# Altium PCB PT-PWR-EPS-002_v1.PcbDoc (part 1 of 3) (continued)
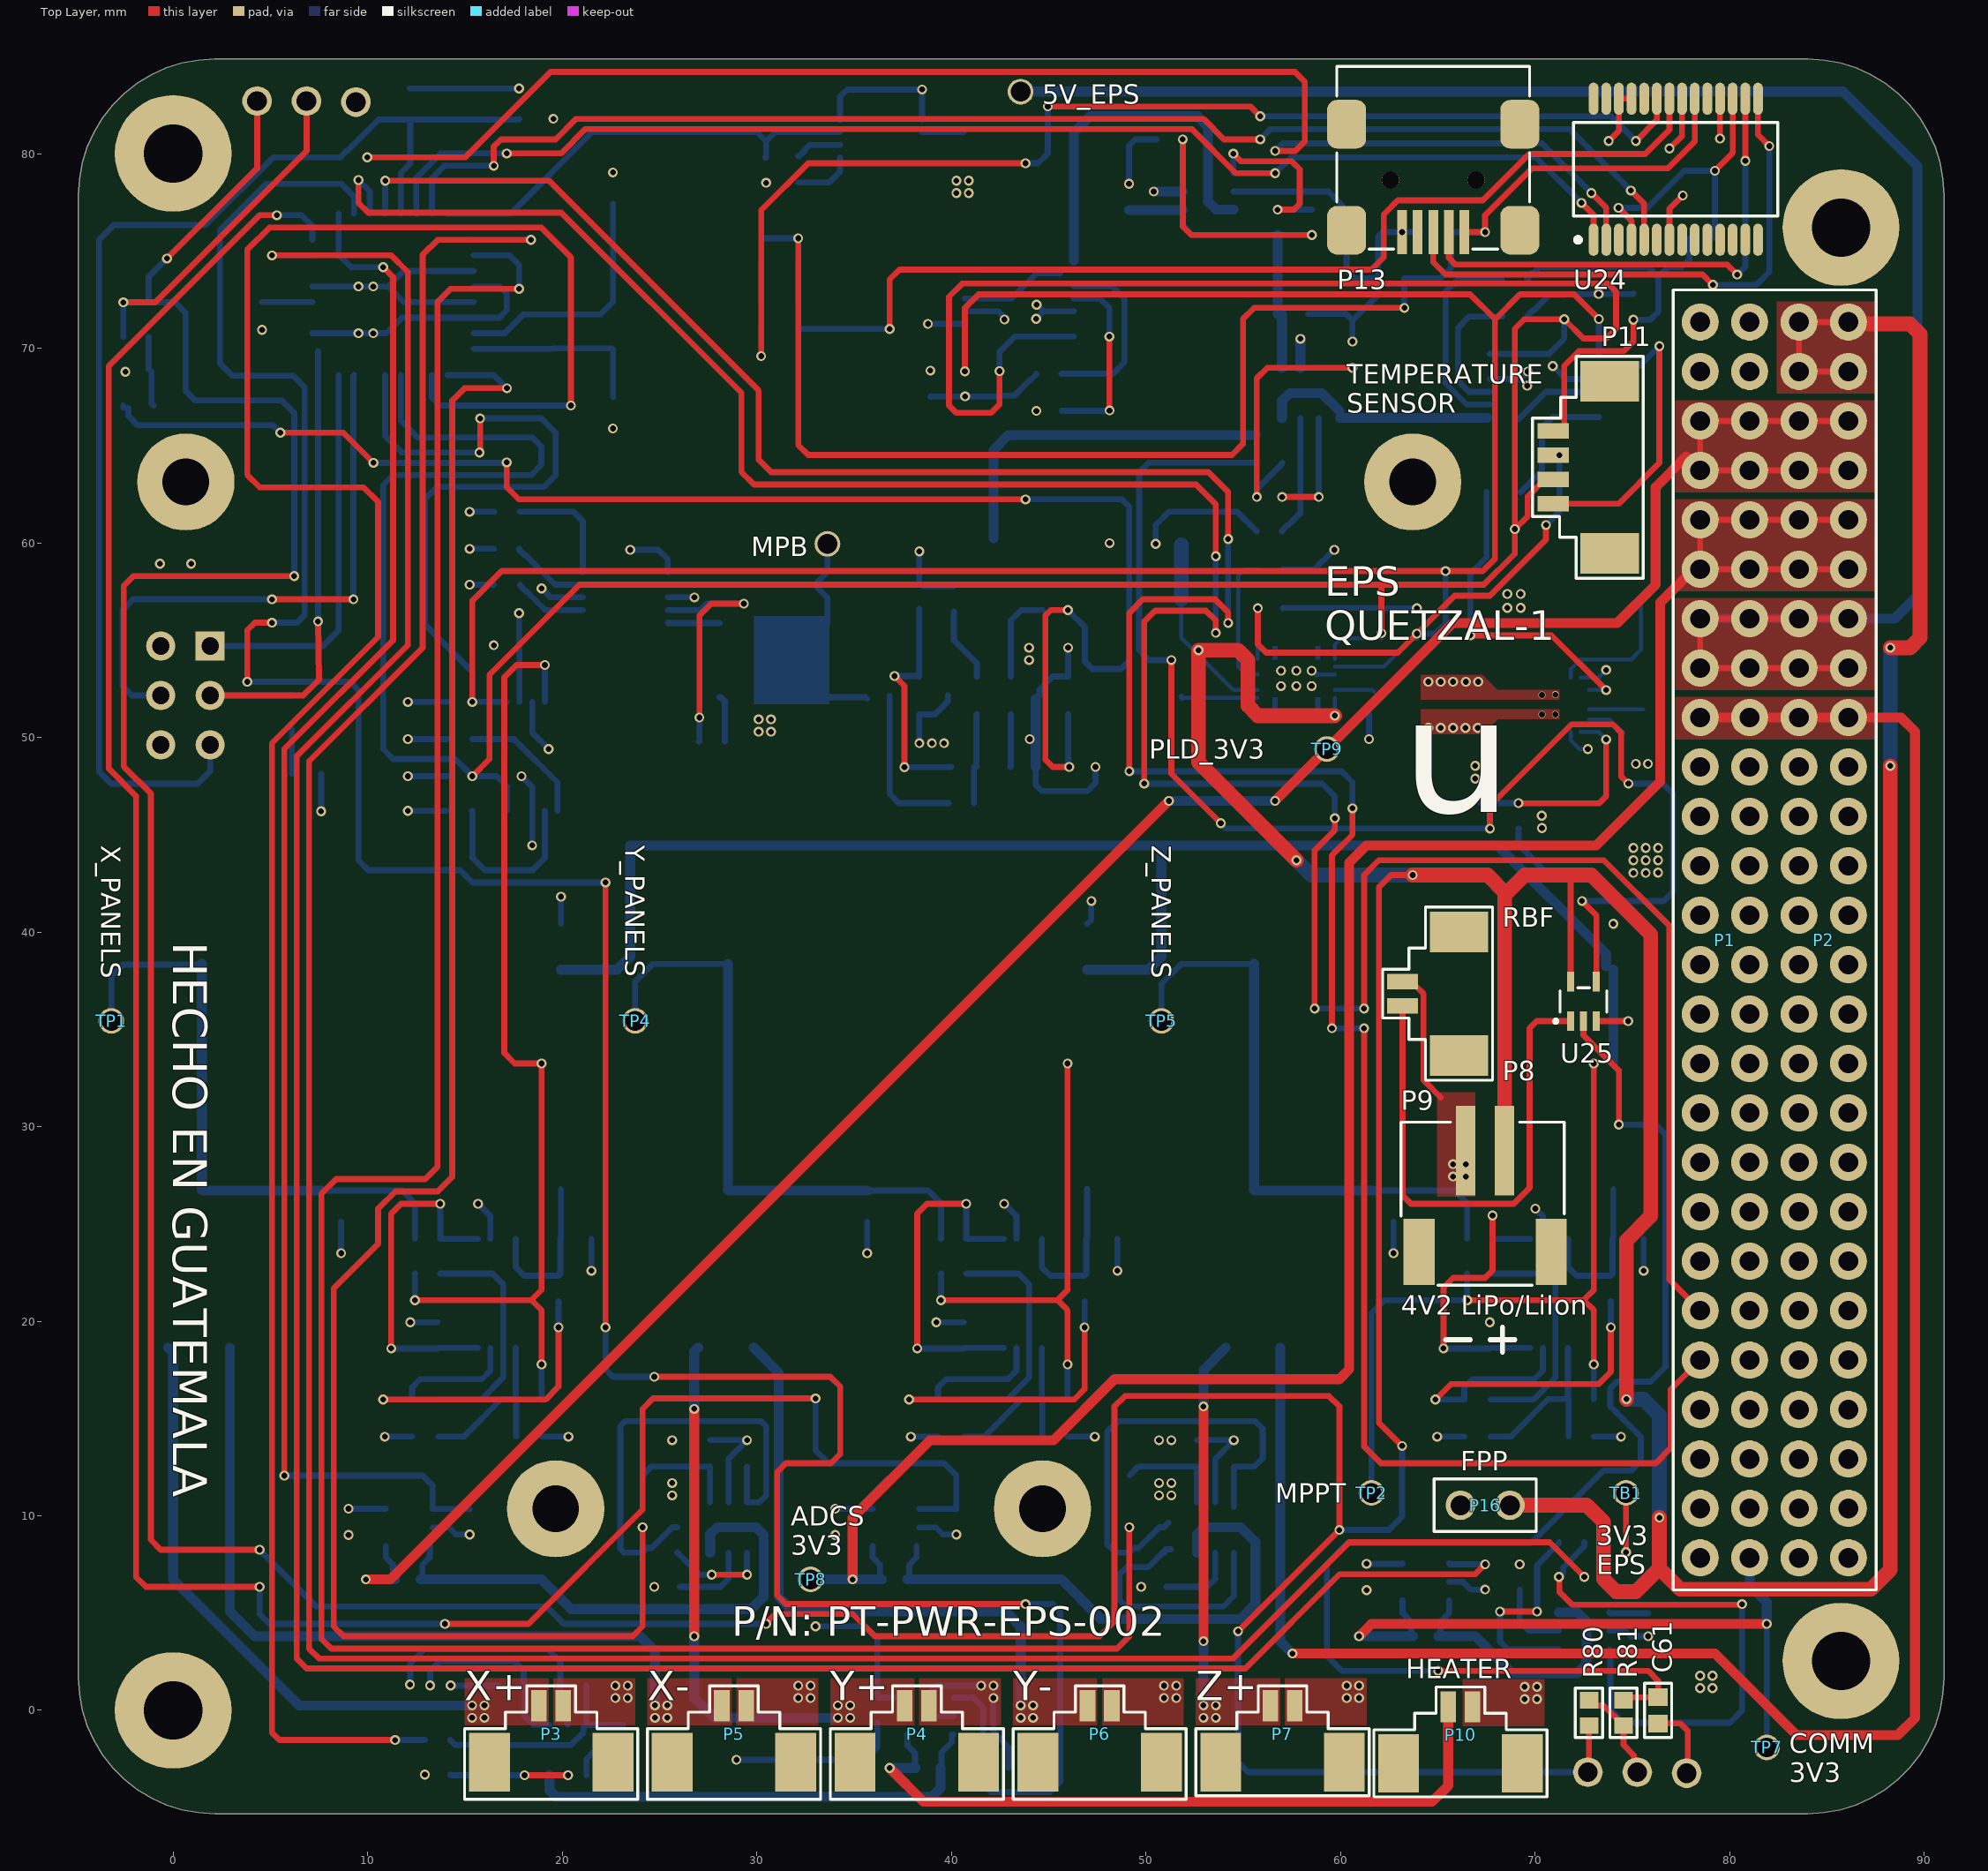
[diagram p0: Top Layer view]
## Part data
C1 C3 C7 C11 C16 C22 C25 C35 C40: "CAP CER 1UF 10V X5R 0603", Capacitance=1µF, Case/Package=0603, Case Code (Metric)=1608, Dielectric=X5R, Manufacturer=Samsung, Max Operating Temperature=85°C, Min Operating Temperature=-55°C, Package Quantity=1, Supplier Part Number 1=1276-1182-1-ND, Tolerance=10%, Voltage=10V, Case Code (Imperial)=0603, ComponentLink1Description=https://datasheet.ciiva.com/15195/getdatasheetpartid-358616-15195708.pdf?src-supplier=Verical, ComponentLink1URL=https://datasheet.ciiva.com/15195/getdatasheetpartid-358616-15195708.pdf?src-supplier=Verical, ComponentLink2Description=https://datasheet.ciiva.com/16358/cl05b104kq5nnnc-16358431.pdf?src-supplier=Future+Electronics, ComponentLink2URL=https://datasheet.ciiva.com/16358/cl05b104kq5nnnc-16358431.pdf?src-supplier=Future+Electronics, Contact Plating=Tin, Depth=0.8mm, Height=0.8mm, Length=1.6mm, Manufacturer Part Number=CL10A105KP8NNNC, Mount="Surface Mount", Packaging="Tape and Reel", Pricing 1="1 = 0.10000, 10 = 0.03800, 100 = 0.01680, 500 = 0.01200, 1000 = 0.00943 (USD)", Radiation Hardening=No, RoHS=Yes, Stock 1=4411775, Supplier 1=Digi-Key, Thickness=0.035inch, Voltage Rating=10V, Width=0.031inch
C2: "CAP CER 22UF 6.3V X5R 0805", Capacitance=22µF, Case/Package=0805, Case Code (Metric)=2012, Dielectric=X5R, Manufacturer=Samsung, Max Operating Temperature=85°C, Min Operating Temperature=-55°C, Package Quantity=2000, Supplier Part Number 1=1276-1100-6-ND, Tolerance=20%, Voltage Rating=6.3V, Case Code (Imperial)=0805, ComponentLink1Description=https://datasheet.ciiva.com/25796/cl21a226mqqnnne-25796195.pdf, ComponentLink1URL=https://datasheet.ciiva.com/25796/cl21a226mqqnnne-25796195.pdf, ComponentLink2Description=https://datasheet.ciiva.com/26838/getdatasheetpartid-357607-26838611.pdf, ComponentLink2URL=https://datasheet.ciiva.com/26838/getdatasheetpartid-357607-26838611.pdf, ComponentLink3Description=https://datasheet.ciiva.com/16361/cl21a226mqqnnne-16361189.pdf, ComponentLink3URL=https://datasheet.ciiva.com/16361/cl21a226mqqnnne-16361189.pdf, ComponentLink4Description=https://datasheet.ciiva.com/26787/cl21a226mqqnnne-26787006.pdf, ComponentLink4URL=https://datasheet.ciiva.com/26787/cl21a226mqqnnne-26787006.pdf, Contact Plating=Tin, Depth=1.25mm, Height=1.25mm, Lead Free="Lead Free", Length=2mm, Manufacturer Part Number=CL21A226MQQNNNE, Mount="Surface Mount", Packaging="Tape and Reel", Pricing 1="1=0.22, 10=0.152, 100=0.0768, 500=0.05256, 1000=0.04649 (USD)", Radiation Hardening=No, Stock 1=20000, Supplier 1=Digi-Key, Thickness=0.055inch, Voltage Rating (DC)=6.3V, Width=0.049inch
C4 C12 C17: "CAP CER 33UF 4V X5R 0805", Capacitance=33µF, Case/Package=0805, Dielectric=X5R, Manufacturer=Murata, Max Operating Temperature=125°C, Min Operating Temperature=-55°C, Supplier Part Number 1=490-16621-1-ND, Tolerance=20%, Voltage Rating (DC)=4V, Depth=1.25mm, Length=2mm, Manufacturer Part Number=GRM21BR60G336ME15L, Packaging="Tape and Reel", Pricing 1="1=0.92, 10=0.699, 100=0.5, 500=0.3871, 1000=0.33333 (USD)", Stock 1=3473, Supplier 1=Digi-Key, Thickness=1.25mm, Width=1.25mm
C5 C6 C13 C14 C18 C19: "CAP CER 1000PF 50V C0G/NP0 0603", Capacitance=1nF, Case/Package=0603, Case Code (Metric)=1608, Dielectric=C0G, Manufacturer=Samsung, Max Operating Temperature=125°C, Min Operating Temperature=-55°C, Package Quantity=1, Supplier Part Number 1=1276-1091-1-ND, Temperature Coefficient=300ppm/°C, Tolerance=5%, Voltage=50V, Case Code (Imperial)=0603, ComponentLink1Description=https://www.distrelec.biz/Web/Downloads/_e/ng/MLCC_CatalogDownload2013_ENG.pdf?mime=application%2Fpdf&src-supplier=Distrelec, ComponentLink1URL=https://www.distrelec.biz/Web/Downloads/_e/ng/MLCC_CatalogDownload2013_ENG.pdf?mime=application%2Fpdf&src-supplier=Distrelec, ComponentLink2Description=https://www.verical.com/server-webapp/html/getDatasheet?partID=354056&src-supplier=Verical, ComponentLink2URL=https://www.verical.com/server-webapp/html/getDatasheet?partID=354056&src-supplier=Verical, ComponentLink3Description=https://produktinfo.conrad.com/datenblaetter/450000-474999/458273-da-01-en-VS_KONDENSATOR_0603.pdf?src-supplier=Conrad, ComponentLink3URL=https://produktinfo.conrad.com/datenblaetter/450000-474999/458273-da-01-en-VS_KONDENSATOR_0603.pdf?src-supplier=Conrad, Depth=0.8mm, Height=0.8mm, Lead Free="Lead Free", Length=1.6mm, Manufacturer Part Number=CL10C102JB8NNNC, Material=Ceramic, Mount="Surface Mount", Packaging="Tape and Reel", Pricing 1="1=0.1, 10=0.057, 100=0.0253, 500=0.0181, 1000=0.01422 (USD)", Radiation Hardening=No, Stock 1=2851554, Supplier 1=Digi-Key, Thickness=0.035inch, Voltage Rating=50V, Voltage Rating (DC)=50V, Width=0.031inch
C8: "CAP CER 22UF 6.3V X5R 0603", Capacitance=22µF, Case/Package=0603, Case Code (Metric)=1608, Dielectric=X5R, Manufacturer=Murata, Max Operating Temperature=85°C, Min Operating Temperature=-55°C, Package Quantity=4000, Supplier Part Number 1=490-7611-1-ND, Tolerance=20%, Voltage Rating=6.3V, Case Code (Imperial)=0603, ComponentLink1Description=https://datasheet.ciiva.com/29540/partnumbering-e-01-29540441.pdf?src-supplier=Digi-Key, ComponentLink1URL=https://datasheet.ciiva.com/29540/partnumbering-e-01-29540441.pdf?src-supplier=Digi-Key, ComponentLink2Description=https://datasheet.ciiva.com/29540/partnumbering-e-01-29540442.pdf?src-supplier=Digi-Key, ComponentLink2URL=https://datasheet.ciiva.com/29540/partnumbering-e-01-29540442.pdf?src-supplier=Digi-Key, ComponentLink3Description=https://datasheet.ciiva.com/29540/partnumbering-e-01-29540443.pdf?src-supplier=Digi-Key, ComponentLink3URL=https://datasheet.ciiva.com/29540/partnumbering-e-01-29540443.pdf?src-supplier=Digi-Key, Depth=0.8mm, Height=0.8mm, Lead Free="Lead Free", Length=1.6mm, Manufacturer Part Number=GRM188R60J226MEA0D, Mount="Surface Mount", Packaging="Tape and Reel", Pricing 1="1 = 0.26000, 10 = 0.17700, 100 = 0.10010, 500 = 0.07066, 1000 = 0.06182 (USD)", REACH SVHC="No SVHC", RoHS=Yes, Stock 1=6592419, Supplier 1=Digi-Key, Termination=SMD/SMT, Thickness=0.039inch, Voltage Rating (DC)=6.3V, Weight=0.000222oz, Width=0.8mm
C9 C15 C32 C33: "CAP CER 22UF 6.3V X5R 0805", Capacitance=22uF, Case/Package=0805, Case Code (Metric)=2012, Dielectric=X5R, Manufacturer=Samsung, Max Operating Temperature=85°C, Min Operating Temperature=-55°C, Package Quantity=2000, Supplier Part Number 1=1276-1100-6-ND, Tolerance=20%, Voltage Rating=6.3V, Case Code (Imperial)=0805, ComponentLink1Description=https://datasheet.ciiva.com/25796/cl21a226mqqnnne-25796195.pdf, ComponentLink1URL=https://datasheet.ciiva.com/25796/cl21a226mqqnnne-25796195.pdf, ComponentLink2Description=https://datasheet.ciiva.com/26838/getdatasheetpartid-357607-26838611.pdf, ComponentLink2URL=https://datasheet.ciiva.com/26838/getdatasheetpartid-357607-26838611.pdf, ComponentLink3Description=https://datasheet.ciiva.com/16361/cl21a226mqqnnne-16361189.pdf, ComponentLink3URL=https://datasheet.ciiva.com/16361/cl21a226mqqnnne-16361189.pdf, ComponentLink4Description=https://datasheet.ciiva.com/26787/cl21a226mqqnnne-26787006.pdf, ComponentLink4URL=https://datasheet.ciiva.com/26787/cl21a226mqqnnne-26787006.pdf, Contact Plating=Tin, Depth=1.25mm, Height=1.25mm, Lead Free="Lead Free", Length=2mm, Manufacturer Part Number=CL21A226MQQNNNE, Mount="Surface Mount", Packaging="Tape and Reel", Pricing 1="1=0.22, 10=0.152, 100=0.0768, 500=0.05256, 1000=0.04649 (USD)", Radiation Hardening=No, Stock 1=20000, Supplier 1=Digi-Key, Thickness=0.055inch, Voltage Rating (DC)=6.3V, Width=0.049inch
C10 C26 C27 C34 C36 C37 C41 C42 C43 C44 C45 C46 C47 C48 C49 C50 C51 C52 C54 C55 C56 C59: "CAP CER 0.1UF 10V X7R 0603", Capacitance=100nF, Case/Package=0603, Case Code (Metric)=1608, Dielectric=X7R, Dielectric Material=Ceramic, Manufacturer=KEMET, Max Operating Temperature=125°C, Min Operating Temperature=-55°C, Package Quantity=1, Supplier Part Number 1=399-1095-1-ND, Tolerance=10%, Voltage=10V, Case Code (Imperial)=0603, ComponentLink1Description=http://www.farnell.com/datasheets/2315110.pdf?src-supplier=Farnell, ComponentLink1URL=http://www.farnell.com/datasheets/2315110.pdf?src-supplier=Farnell, ComponentLink2Description=http://www.kemet.com/kemet/web/homepage/kechome.nsf/vapubfiles/KEM_C1002_X7R_SMD.pdf/$file/KEM_C1002_X7R_SMD.pdf?src-supplier=Element14, ComponentLink2URL=http://www.kemet.com/kemet/web/homepage/kechome.nsf/vapubfiles/KEM_C1002_X7R_SMD.pdf/$file/KEM_C1002_X7R_SMD.pdf?src-supplier=Element14, ComponentLink3Description=https://www.verical.com/server-webapp/html/getDatasheet?partID=91529&src-supplier=Verical, ComponentLink3URL=https://www.verical.com/server-webapp/html/getDatasheet?partID=91529&src-supplier=Verical, ComponentLink4Description=http://www.mouser.com/ds/2/212/KEM_C1002_X7R_SMD-1102033.pdf?src-supplier=Mouser, ComponentLink4URL=http://www.mouser.com/ds/2/212/KEM_C1002_X7R_SMD-1102033.pdf?src-supplier=Mouser, ComponentLink5Description=http://www.alliedelec.com/m/d/9bfe7773041ffe9d406e68bc7b377fdd.pdf?src-supplier=Allied+Electronics, ComponentLink5URL=http://www.alliedelec.com/m/d/9bfe7773041ffe9d406e68bc7b377fdd.pdf?src-supplier=Allied+Electronics, ComponentLink6Description=http://www.farnell.com/datasheets/1851736.pdf?src-supplier=Element14, ComponentLink6URL=http://www.farnell.com/datasheets/1851736.pdf?src-supplier=Element14, Contact Plating=Tin,Matte, Depth=0.8mm, Dissipation Factor=5%, Height=0.8mm, Lead Pitch=0.7mm, Length=1.6mm, Manufacturer Part Number=C0603C104K8RACTU, Mount="Surface Mount,PCB", Number of Pins=2, Packaging="Tape and Reel", Pricing 1="1=0.15, 10=0.107, 100=0.0504, 500=0.03536, 1000=0.02927 (USD)", Radiation Hardening=No, REACH SVHC="No SVHC", Stock 1=778651, Supplier 1=Digi-Key, Termination=SMD/SMT, Thickness=0.034inch, Voltage Rating=10V, Voltage Rating (DC)=10V, Width=0.8mm
C20: "CAP CER 0.47UF 25V X7R 0603", Capacitance=470nF, Case/Package=0603, Case Code (Metric)=1608, Dielectric=X7R, Manufacturer=Samsung, Max Operating Temperature=125°C, Min Operating Temperature=-55°C, Package Quantity=1, Supplier Part Number 1=1276-2082-1-ND, Tolerance=10%, Voltage Rating=25V, Case Code (Imperial)=0603, ComponentLink1Description=https://datasheet.ciiva.com/25777/cl10b474ka8nfnc-25777510.pdf?src-supplier=Digi-Key, ComponentLink1URL=https://datasheet.ciiva.com/25777/cl10b474ka8nfnc-25777510.pdf?src-supplier=Digi-Key, ComponentLink2Description=https://datasheet.ciiva.com/16428/cl10b474ka8nfnc-16428839.pdf?src-supplier=Future+Electronics, ComponentLink2URL=https://datasheet.ciiva.com/16428/cl10b474ka8nfnc-16428839.pdf?src-supplier=Future+Electronics, Depth=0.8mm, Height=0.8mm, Lead Free="Lead Free", Length=0.063inch, Manufacturer Part Number=CL10B474KA8NFNC, Mount="Surface Mount", Packaging="Tape and Reel", Pricing 1="1 = 0.10000, 10 = 0.07300, 100 = 0.03450, 500 = 0.02422, 1000 = 0.02005 (USD)", Radiation Hardening=No, RoHS=Yes, Stock 1=469116, Supplier 1=Digi-Key, Thickness=0.035inch, Width=0.031inch
C21 C30 C31 C38 C39: "CAP CER 10UF 6.3V X5R 0603", Capacitance=10µF, Case/Package=0603, Case Code (Metric)=1608, Dielectric=X5R, Manufacturer=Samsung, Max Operating Temperature=85°C, Min Operating Temperature=-55°C, Package Quantity=1, Supplier Part Number 1=1276-1119-1-ND, Tolerance=20%, Voltage=6.3V, Case Code (Imperial)=0603, ComponentLink1Description=https://datasheet.ciiva.com/25798/cl10a106mq8nnnc-25798320.pdf?src-supplier=Digi-Key, ComponentLink1URL=https://datasheet.ciiva.com/25798/cl10a106mq8nnnc-25798320.pdf?src-supplier=Digi-Key, ComponentLink2Description=https://datasheet.ciiva.com/26838/getdatasheetpartid-357557-26838347.pdf?src-supplier=Verical, ComponentLink2URL=https://datasheet.ciiva.com/26838/getdatasheetpartid-357557-26838347.pdf?src-supplier=Verical, ComponentLink3Description=https://datasheet.ciiva.com/16437/cl05b104kq5nnnc-16437327.pdf?src-supplier=Future+Electronics, ComponentLink3URL=https://datasheet.ciiva.com/16437/cl05b104kq5nnnc-16437327.pdf?src-supplier=Future+Electronics, Contact Plating=Tin, Depth=0.8mm, Height=0.8mm, Length=1.6mm, Manufacturer Part Number=CL10A106MQ8NNNC, Mount="Surface Mount", Packaging="Tape and Reel", Pricing 1="1 = 0.15000, 10 = 0.11000, 100 = 0.05150, 500 = 0.03614, 1000 = 0.02992 (USD)", Radiation Hardening=No, RoHS=Yes, Stock 1=3866590, Supplier 1=Digi-Key, Thickness=0.035inch, Voltage Rating=6.3V, Width=0.031inch
C23 C24: "CAP CER 0.22UF 16V X7R 0603"
C28 C29 C57: "CAP CER 10UF 10V X5R 0805", Capacitance=10µF, Manufacturer="Taiyo Yuden", Operating Temperature="-55°C ~ 85°C", Package / Case="0805 (2012 Metric)", PCN Part Number="X5R, X7R Dielectrics 23/Jan/2008", Ratings=-, Standard Package=1, Supplier Part Number 1=587-1300-1-ND, Temperature Coefficient=X5R, Tolerance=±10%, Voltage - Rated=10V, Applications="General Purpose", Catalog Drawings="xMK Series_0805_1.25", Category=Capacitors, ComponentLink1Description=https://datasheet.ciiva.com/26872/getdatasheetpartid-638410-26872692.pdf, ComponentLink1URL=https://datasheet.ciiva.com/26872/getdatasheetpartid-638410-26872692.pdf, ComponentLink2Description=https://datasheet.ciiva.com/7975/1497285-7975797.pdf, ComponentLink2URL=https://datasheet.ciiva.com/7975/1497285-7975797.pdf, ComponentLink3Description=https://datasheet.ciiva.com/7975/1497285-7975799.pdf, ComponentLink3URL=https://datasheet.ciiva.com/7975/1497285-7975799.pdf, ComponentLink4Description=https://datasheet.ciiva.com/135/mlcc-all-e-135133.pdf, ComponentLink4URL=https://datasheet.ciiva.com/135/mlcc-all-e-135133.pdf, ComponentLink5Description=https://datasheet.ciiva.com/135/mlcc-all-e-135134.pdf, ComponentLink5URL=https://datasheet.ciiva.com/135/mlcc-all-e-135134.pdf, ComponentLink6Description=https://datasheet.ciiva.com/30259/719lmk212abj106kg-t-30259022.pdf, ComponentLink6URL=https://datasheet.ciiva.com/30259/719lmk212abj106kg-t-30259022.pdf, ComponentLink7Description=https://datasheet.ciiva.com/135/mlcc-all-e-135135.pdf, ComponentLink7URL=https://datasheet.ciiva.com/135/mlcc-all-e-135135.pdf, Family="Ceramic Capacitors", Featured Product="Multilayer Chip Capacitors", Features=-, Height - Seated (Max)=-, Kits="587-1797-KIT-ND  - KIT CAP CER HI CAP 0603 & 0805 S", Lead Spacing=-, Lead Style=-, Manufacturer Part Number=LMK212BJ106KG-T, Mounting Type="Surface Mount, MLCC", Online Catalog="M Series", Other Names=587-1300-1, Packaging="Cut Tape (CT)", Pricing 1="1=0.14, 10=0.1, 100=0.0468, 500=0.0328, 1000=0.0272 (USD)", Series=M, Size / Dimension="0.079\" L x 0.049\" W (2.00mm x 1.25mm)", Stock 1=858762, Supplier 1=Digi-Key, Thickness (Max)="0.053\" (1.35mm)"
C53: "CAP CER 0.1UF 50V X7R 0805", Capacitance=0.1µF, Manufacturer=TDK, Operating Temperature="-55°C ~ 125°C", Package / Case="0805 (2012 Metric)", PCN Part Number="MLCC Part Number Change 30/Nov/2012", Ratings=-, Standard Package=1, Supplier Part Number 1=445-7534-1-ND, Temperature Coefficient=X7R, Tolerance=±10%, Voltage - Rated=50V, Applications="General Purpose", Category=Capacitors, ComponentLink1Description=https://datasheet.ciiva.com/11788/0900766b80c1bb00-11788128.pdf, ComponentLink1URL=https://datasheet.ciiva.com/11788/0900766b80c1bb00-11788128.pdf, ComponentLink2Description=https://datasheet.ciiva.com/6250/tdkmlcccaprange-6250821.pdf, ComponentLink2URL=https://datasheet.ciiva.com/6250/tdkmlcccaprange-6250821.pdf, ComponentLink3Description=https://datasheet.ciiva.com/24217/c2012x7r1h104k085aa-264864-24217862.pdf, ComponentLink3URL=https://datasheet.ciiva.com/24217/c2012x7r1h104k085aa-264864-24217862.pdf, ComponentLink4Description=https://datasheet.ciiva.com/24191/e412-c-24191447.pdf, ComponentLink4URL=https://datasheet.ciiva.com/24191/e412-c-24191447.pdf, ComponentLink5Description=https://datasheet.ciiva.com/6250/tdkmlcccaprange-6250824.pdf, ComponentLink5URL=https://datasheet.ciiva.com/6250/tdkmlcccaprange-6250824.pdf, ComponentLink6Description=https://datasheet.ciiva.com/23803/1796654-23803035.pdf, ComponentLink6URL=https://datasheet.ciiva.com/23803/1796654-23803035.pdf, ComponentLink7Description=https://datasheet.ciiva.com/28602/1571323-28602204.pdf, ComponentLink7URL=https://datasheet.ciiva.com/28602/1571323-28602204.pdf, Family="Ceramic Capacitors", Features=-, Height - Seated (Max)=-, Kits="445-9015-KIT-ND  - KIT MLCC 1000PF-47UF 0805 10-50V", Lead Spacing=-, Lead Style=-, Manufacturer Part Number=C2012X7R1H104K085AA, Mounting Type="Surface Mount, MLCC", Online Catalog="C Series, General Purpose", Other Names=445-7534-1, Packaging="Cut Tape (CT)", Pricing 1="1=0.12, 10=0.086, 100=0.0403, 500=0.0282, 1000=0.0234 (USD)", Product Training Modules="C Series General Applications SEAT, CCV, and TVCL Design Tools Guide to Replacing an Electrolytic Capacitor with an MLCC", RoHS Information="RoHS Certificate-MLCC", Series=C, Size / Dimension="0.079\" L x 0.049\" W (2.00mm x 1.25mm)", Stock 1=6397, Supplier 1=Digi-Key, Thickness (Max)="0.037\" (0.95mm)"
C58 C60: "CAP CER 18PF 50V C0G/NP0 0805", Capacitance="18 pF", Case Style="Ceramic Chip", Manufacturer=KEMET, Operating Temp Range="-55C to 125C", Package / Case=0805, Supplier Part Number 1=399-1112-1-ND, Temp Coeff (Dielectric)=C0G, Tolerance (+ or -)=5%, Voltage=50VDC, ComponentLink1Description=https://datasheet.ciiva.com/6136/1725432-6136736.pdf, ComponentLink1URL=https://datasheet.ciiva.com/6136/1725432-6136736.pdf, ComponentLink2Description=https://datasheet.ciiva.com/144/docfinderpartnumber-c0805c180j5gactu-144929.pdf, ComponentLink2URL=https://datasheet.ciiva.com/144/docfinderpartnumber-c0805c180j5gactu-144929.pdf, ComponentLink3Description=https://datasheet.ciiva.com/22746/1769375-22746770.pdf, ComponentLink3URL=https://datasheet.ciiva.com/22746/1769375-22746770.pdf, ComponentLink4Description=https://datasheet.ciiva.com/28696/1789732-28696024.pdf, ComponentLink4URL=https://datasheet.ciiva.com/28696/1789732-28696024.pdf, ComponentLink5Description=https://datasheet.ciiva.com/7842/1725432-7842235.pdf, ComponentLink5URL=https://datasheet.ciiva.com/7842/1725432-7842235.pdf, ComponentLink6Description=https://datasheet.ciiva.com/11463/kem-c1003-c0g-smd-11463499.pdf, ComponentLink6URL=https://datasheet.ciiva.com/11463/kem-c1003-c0g-smd-11463499.pdf, ComponentLink7Description=https://datasheet.ciiva.com/7842/1725432-7842236.pdf, ComponentLink7URL=https://datasheet.ciiva.com/7842/1725432-7842236.pdf, ComponentLink8Description=https://datasheet.ciiva.com/26923/getdatasheetpartid-759702-26923980.pdf, ComponentLink8URL=https://datasheet.ciiva.com/26923/getdatasheetpartid-759702-26923980.pdf, ComponentLink9Description=https://datasheet.ciiva.com/5419/kem-c1003-c0g-smd-356956-5419246.pdf, ComponentLink9URL=https://datasheet.ciiva.com/5419/kem-c1003-c0g-smd-356956-5419246.pdf, Construction="SMT Chip", Failure Rate="Not Required", Manufacturer Part Number=C0805C180J5GAC-TU, Mounting Style="Surface Mount", Packaging="Tape and Reel", Pricing 1="1=0.11, 10=0.08, 100=0.0374, 500=0.0262, 1000=0.0217 (USD)", Product Depth (mm)="1.25 mm", Product Diameter (mm)="Not Required mm", Product Height (mm)="0.78 mm", Product Length (mm)="2 mm", Rad Hardened=No, Stock 1=86172, Supplier 1=Digi-Key, Wire Form="Not Required"
C61 C62: "CAP CER 47UF 2.5V X5R 0603", Capacitance=47uF, Case/Package=0603, Case Code (Metric)=1608, Dielectric=X5R, Manufacturer=Murata, Max Operating Temperature=85°C, Min Operating Temperature=-55°C, Supplier Part Number 1=490-13245-1-ND, Tolerance=20%, Voltage Rating=2.5V, Case Code (Imperial)=0603, ComponentLink1Description=http://search.murata.co.jp/Ceramy/image/img/A01X/G101/ENG/GRM188R60E476ME15-01.pdf?src-supplier=Digi-Key, ComponentLink1URL=http://search.murata.co.jp/Ceramy/image/img/A01X/G101/ENG/GRM188R60E476ME15-01.pdf?src-supplier=Digi-Key, ComponentLink2Description=http://search.murata.co.jp/Ceramy/image/img/A01X/partnumbering_e_01.pdf?src-supplier=Digi-Key, ComponentLink2URL=http://search.murata.co.jp/Ceramy/image/img/A01X/partnumbering_e_01.pdf?src-supplier=Digi-Key, Length=0.063inch, Manufacturer Part Number=GRM188R60E476ME15D, Mount="Surface Mount", Packaging="Tape and Reel", Pricing 1="1 = 0.50000, 10 = 0.35000, 100 = 0.23070, 500 = 0.17090, 1000 = 0.14527 (USD)", RoHS=Yes, Stock 1=21402, Supplier 1=Digi-Key, Thickness=0.039inch, Voltage Rating (DC)=2.5V, Width=0.031inch
D1 D2 D3 D4 D5 D6: "DIODE SCHOTTKY 20V 1A SOD123FL", Capacitance @ Vr, F=-, Current - Average Rectified (Io)=1A, Current - Reverse Leakage @ Vr="600µA @ 20V", Manufacturer="ON Semiconductor", Operating Temperature - Junction="-65°C ~ 125°C", Package / Case=SOD-123F, Standard Package=1, Supplier Device Package=SOD-123FL, Supplier Part Number 1=MBR120VLSFT3GOSCT-ND, Voltage - DC Reverse (Vr) (Max)=20V, Voltage - Forward (Vf) (Max) @ If="340mV @ 1A", Category="Discrete Semiconductor Products", ComponentLink1Description=https://datasheet.ciiva.com/4715/mbr120vlsft1-d-107081-4715104.pdf, ComponentLink1URL=https://datasheet.ciiva.com/4715/mbr120vlsft1-d-107081-4715104.pdf, ComponentLink2Description=https://datasheet.ciiva.com/6380/mbr120vlsft1-d-6380907.pdf, ComponentLink2URL=https://datasheet.ciiva.com/6380/mbr120vlsft1-d-6380907.pdf, ComponentLink3Description=https://datasheet.ciiva.com/8294/mbr120vlsft1-d-8294603.pdf, ComponentLink3URL=https://datasheet.ciiva.com/8294/mbr120vlsft1-d-8294603.pdf, ComponentLink4Description=https://datasheet.ciiva.com/6380/mbr120vlsft1-d-6380910.pdf, ComponentLink4URL=https://datasheet.ciiva.com/6380/mbr120vlsft1-d-6380910.pdf, Diode Type=Schottky, Family="Diodes, Rectifiers - Single", Manufacturer Part Number=MBR120VLSFT3G, Mounting Type="Surface Mount", Online Catalog="Schottky Diode", Other Names=MBR120VLSFT3GOSDKR, Packaging=Digi-Reel®, PCN Design/Specification="SOD123-FL Package Height 13/Sep/2013", Pricing 1="1=0.42, 10=0.338, 100=0.2298, 500=0.1723, 1000=0.1293 (USD)", Reverse Recovery Time (trr)=-, Series=-, Speed="Fast Recovery =  200mA (Io)", Stock 1=5944, Supplier 1=Digi-Key
D7 D8 D9: "Diode TVS Single Uni-Dir 5V 400W 2-Pin DO-222AA T/R", Breakdown Voltage=6.46V, Clamping Voltage=13.4V, Leakage Current=10uA, Manufacturer=STMicroelectronics, Max Operating Temperature=175°C, Max Power Dissipation=400W, Max Surge Current=174A, Min Operating Temperature=-55°C, Operating Supply Voltage=5V, Package Quantity=12000, Power Line Protection=No, Supplier Part Number 1=497-15660-1-ND, Test Current=10mA, ComponentLink1Description=http://www.mouser.com/ds/2/389/CD00178940-251527.pdf?src-supplier=Mouser, ComponentLink1URL=http://www.mouser.com/ds/2/389/CD00178940-251527.pdf?src-supplier=Mouser, ComponentLink2Description=http://www.st.com/web/en/resource/technical/document/datasheet/CD00178940.pdf?src-supplier=Digi-Key, ComponentLink2URL=http://www.st.com/web/en/resource/technical/document/datasheet/CD00178940.pdf?src-supplier=Digi-Key, ComponentLink3Description=http://www.st.com/web/en/resource/technical/document/datasheet/CD00178940.pdf?src-supplier=Avnet+Europe, ComponentLink3URL=http://www.st.com/web/en/resource/technical/document/datasheet/CD00178940.pdf?src-supplier=Avnet+Europe, Composition=Zener, Direction=Unidirectional, Element Configuration=Single, Manufacturer Part Number=SMM4F5.0A-TR, Max Reverse Leakage Current=10uA, Min Breakdown Voltage=6.46V, Mount="Surface Mount", Number of Channels=1, Number of Elements=1, Number of Pins=2, Number of Unidirectional Channels=1, Packaging="Tape and Reel", Peak Pulse Current=174A, Peak Pulse Power=400W, Polarity=Unidirectional, Pricing 1="1=0.6, 10=0.511, 100=0.3816, 500=0.2998, 1000=0.23166 (USD)", Radiation Hardening=No, Reverse Breakdown Voltage=6.46V, Reverse Standoff Voltage=5V, Stock 1=10565, Supplier 1=Digi-Key, Termination=SMD/SMT
D10 D11: "DIODE SCHOTTKY 20V 3A PMDU", Average Rectified Current=3A, Manufacturer=Rohm, Max Reverse Voltage (DC)=20V, Supplier Part Number 1=RB051MM-2YCT-ND, ComponentLink1Description=http://www.mouser.com/ds/2/348/rb051mm-2y-e-1017157.pdf?src-supplier=Mouser, ComponentLink1URL=http://www.mouser.com/ds/2/348/rb051mm-2y-e-1017157.pdf?src-supplier=Mouser, ComponentLink2Description=http://www.rohm.com/web/global/datasheet/RB051MM-2Y/rb051mm-2y-e?src-supplier=Digi-Key, ComponentLink2URL=http://www.rohm.com/web/global/datasheet/RB051MM-2Y/rb051mm-2y-e?src-supplier=Digi-Key, ComponentLink3Description=http://rohmfs.rohm.com/en/techdata_basic/diode/taping/Taping_PMDU(M)_TR-e.pdf?src-supplier=Digi-Key, ComponentLink3URL=http://rohmfs.rohm.com/en/techdata_basic/diode/taping/Taping_PMDU(M)_TR-e.pdf?src-supplier=Digi-Key, Manufacturer Part Number=RB051MM-2YTR, Mount="Surface Mount", Packaging="Tape and Reel", Pricing 1="1 = 0.49000, 10 = 0.41700, 100 = 0.31150, 500 = 0.24472, 1000 = 0.18911 (USD)", Stock 1=1333, Supplier 1=Digi-Key
D12 D14: "LED YELLOW CLEAR CHIP SMD", Color=Yellow, Current - Test=20mA, Manufacturer=Kingbright, Millicandela Rating=150mcd, Package / Case="0603 (1608 Metric)", Standard Package=2,000, Supplier Part Number 1=754-1124-1-ND, Voltage - Forward (Vf) (Typ)=2V, 3D Model="APT1608x.sldprt /  / APT1608x.pro /  / APT1608x.igs /  / APT1608x.stp", Catalog Drawings="APT1608 Series Top /  / APT1608 Series Side", Category=Optoelectronics, ComponentLink1Description=https://datasheet.ciiva.com/2113/apt1608syck-2113824.pdf, ComponentLink1URL=https://datasheet.ciiva.com/2113/apt1608syck-2113824.pdf, ComponentLink2Description=https://datasheet.ciiva.com/2113/apt1608syck-2113825.pdf, ComponentLink2URL=https://datasheet.ciiva.com/2113/apt1608syck-2113825.pdf, ComponentLink3Description=https://datasheet.ciiva.com/2113/apt1608syck-2113826.pdf, ComponentLink3URL=https://datasheet.ciiva.com/2113/apt1608syck-2113826.pdf, ComponentLink4Description=https://datasheet.ciiva.com/4688/apt1608syck-35136-4688900.pdf, ComponentLink4URL=https://datasheet.ciiva.com/4688/apt1608syck-35136-4688900.pdf, ComponentLink5Description=https://datasheet.ciiva.com/14603/70062842-14603786.pdf, ComponentLink5URL=https://datasheet.ciiva.com/14603/70062842-14603786.pdf, Family="LED Indication - Discrete", Height=0.75mm, Lens Style/Size="Rectangle with Flat Top, 1.2mm x 0.8mm", Lens Type=Clear, Manufacturer Part Number=APT1608SYCK, Mounting Type="Surface Mount", Online Catalog="0603 Rectangle with Flat Top Chip LEDs", Other Names=754-1124-2, Packaging="Tape & Reel (TR)", Pricing 1="1=0.43, 10=0.307, 25=0.2352, 100=0.1535, 250=0.1125, 500=0.0955, 1000=0.0784 (USD)", Size / Dimension="1.60mm L x 0.80mm W", Stock 1=241560, Supplier 1=Digi-Key, Viewing Angle=120°, Wavelength - Dominant=590nm, Wavelength - Peak=590nm
D13: "LED 1.6X0.8MM 568NM GRN CLR SMD", Color=Green, Current - Test=20mA, Manufacturer=Kingbright, Millicandela Rating=15mcd, Package / Case="0603 (1608 Metric)", Standard Package=2,000, Supplier Part Number 1=754-1121-1-ND, Voltage - Forward (Vf) (Typ)=2.2V, 3D Model="APT1608x.sldprt /  / APT1608x.pro /  / APT1608x.igs /  / APT1608x.stp", Catalog Drawings="APT1608 Series Top /  / APT1608 Series Side", Category=Optoelectronics, ComponentLink1Description=https://datasheet.ciiva.com/2113/apt1608sgc-2113808.pdf, ComponentLink1URL=https://datasheet.ciiva.com/2113/apt1608sgc-2113808.pdf, ComponentLink2Description=https://datasheet.ciiva.com/12400/apt1608sgc-32861-12400932.pdf, ComponentLink2URL=https://datasheet.ciiva.com/12400/apt1608sgc-32861-12400932.pdf, ComponentLink3Description=https://datasheet.ciiva.com/14603/70062839-14603927.pdf, ComponentLink3URL=https://datasheet.ciiva.com/14603/70062839-14603927.pdf, Family="LED Indication - Discrete", Height=0.75mm, Lens Style/Size="Rectangle with Flat Top, 1.2mm x 0.8mm", Lens Type=Clear, Manufacturer Part Number=APT1608SGC, Mounting Type="Surface Mount", Online Catalog="0603 Rectangle with Flat Top Chip LEDs", Other Names=754-1121-2, Packaging="Tape & Reel (TR)", Pricing 1="1=0.39, 10=0.282, 25=0.208, 100=0.1485, 250=0.101, 500=0.0891, 1000=0.0698 (USD)", Size / Dimension="1.60mm L x 0.80mm W", Stock 1=466268, Supplier 1=Digi-Key, Supplier 2=Digi-Key, Supplier Part Number 2=311-10.0MCRCT-ND, Viewing Angle=120°, Wavelength - Dominant=568nm, Wavelength - Peak=565nm
L1 L2 L3: "FIXED IND 10UH 3.3A 35 MOHM SMD", Case/Package=Nonstandard, Current Rating=3.3A, DC Resistance (DCR)=35mR, Frequency=18MHz, Inductance=10µH, Inductance Tolerance=20%, Manufacturer=Bourns, Max Operating Temperature=125°C, Min Operating Temperature=-40°C, Package Quantity=600, Resistance=35MR, Saturation Current=5.7A, Supplier Part Number 1=SRR1206-100MLCT-ND, Test Frequency=1kHz, ComponentLink1Description=http://www.bourns.com/pdfs/SRR1206.pdf?src-supplier=Avnet+Europe, ComponentLink1URL=http://www.bourns.com/pdfs/SRR1206.pdf?src-supplier=Avnet+Europe, ComponentLink2Description=http://www.bourns.com/docs/Product-Datasheets/SRR1206.pdf?src-supplier=Digi-Key, ComponentLink2URL=http://www.bourns.com/docs/Product-Datasheets/SRR1206.pdf?src-supplier=Digi-Key, ComponentLink3Description=https://www.bourns.com/docs/Product-Datasheets/SRR1206.pdf?src-supplier=Digi-Key, ComponentLink3URL=https://www.bourns.com/docs/Product-Datasheets/SRR1206.pdf?src-supplier=Digi-Key, ComponentLink4Description=http://www.bourns.com/pdfs/SRR1206.pdf?src-supplier=Avnet, ComponentLink4URL=http://www.bourns.com/pdfs/SRR1206.pdf?src-supplier=Avnet, ComponentLink5Description=http://www.farnell.com/datasheets/1914018.pdf?src-supplier=Element14, ComponentLink5URL=http://www.farnell.com/datasheets/1914018.pdf?src-supplier=Element14, Composition=Wirewound, Core Material=Ferrite, DC Current=3.3A, Depth=13mm, Height=6.5mm, Height - Seated (Max)=0.256inch, Length=12.7mm, Manufacturer Part Number=SRR1206-100ML, Material=Steel, Max DC Current=3.3A, Military Standard=Not, Mount="Surface Mount", Number of Pins=12, Packaging="Tape and Reel", Pricing 1="1=1.13, 10=1.047, 100=0.7567 (USD)", Q Factor=18, Radiation Hardening=No, REACH SVHC="No SVHC", RMS Current (Irms)=3.3A, Self Resonant Frequency=18MHz, Shielding=Shielded, Stock 1=4095, Supplier 1=Digi-Key, Termination=SMD/SMT, Tolerance=20%, Width=12.7mm
L4: "FIXED IND 1.5UH 9.1A 15.8 MOHM SMD", DC Resistance (DCR)=15.8mR, Inductance=1.5uH, Manufacturer=Coilcraft, Max DC Current=9.1A, Max Operating Temperature=125°C, Min Operating Temperature=-40°C, Package Quantity=25, Self Resonant Frequency=59MHz, Supplier Part Number 1=994-XFL4020-152MEB, Test Frequency=100kHz, Tolerance=20%, ComponentLink1Description=http://www.mouser.com/ds/2/597/xfl4020-270756.pdf?src-supplier=Mouser, ComponentLink1URL=http://www.mouser.com/ds/2/597/xfl4020-270756.pdf?src-supplier=Mouser, Core Material=Composite, Height=2.1mm, Lead Free="Contains Lead", Length=4.3mm, Manufacturer Part Number=XFL4020-152MEB, Packaging="Tape and Reel", Pricing 1="1 = 1.99000, 10 = 1.99000, 50 = 1.99000, 100 = 1.59000, 1000 = 0.88500, 10000 = 0.88500 (USD)", RoHS=Yes, Shielding=Shielded, Stock 1=11555, Supplier 1=Mouser, Termination=SMD/SMT, Width=4.3mm
P1 P2: "CONN SOCKET 52POS 0.1 GOLD PCB", Contact Resistance=10mR, Housing Color=Black, Manufacturer=Samtec, Max Current Rating=6.9A, Max Operating Temperature=125°C, Max Voltage Rating (AC)=550V, Min Operating Temperature=-55°C, Supplier Part Number 1=SAM11114-ND, ComponentLink1Description=http://www.farnell.com/datasheets/1902536.pdf?src-supplier=Farnell, ComponentLink1URL=http://www.farnell.com/datasheets/1902536.pdf?src-supplier=Farnell, ComponentLink2Description=http://components.arrow.com/part/dataview/0323_04347871?src-supplier=Arrow+Europe, ComponentLink2URL=http://components.arrow.com/part/dataview/0323_04347871?src-supplier=Arrow+Europe, ComponentLink3Description=http://www.samtec.com/documents/webfiles/pdf/ESW_TH.PDF?src-supplier=Avnet+Europe, ComponentLink3URL=http://www.samtec.com/documents/webfiles/pdf/ESW_TH.PDF?src-supplier=Avnet+Europe, ComponentLink4Description=http://cloud.samtec.com/catalog_english/ESW_TH.PDF?src-supplier=Avnet, ComponentLink4URL=http://cloud.samtec.com/catalog_english/ESW_TH.PDF?src-supplier=Avnet, ComponentLink5Description=http://suddendocs.samtec.com/prints/esq-1xx-xx-x-x-xxx-xx-x-xx-mkt.pdf?src-supplier=Digi-Key, ComponentLink5URL=http://suddendocs.samtec.com/prints/esq-1xx-xx-x-x-xxx-xx-x-xx-mkt.pdf?src-supplier=Digi-Key, ComponentLink6Description=http://www.farnell.com/datasheets/1902536.pdf?src-supplier=Element14, ComponentLink6URL=http://www.farnell.com/datasheets/1902536.pdf?src-supplier=Element14, Contact Material=Bronze, Contact Plating=Gold, Depth=4.95mm, Gender=Receptacle, Housing Material=Polyester, Lead Pitch=2.54mm, Length=66.55mm, Manufacturer Part Number=ESQ-126-14-G-D, Number of Contacts=52, Number of Rows=2, Orientation=Straight, Packaging=Bulk, Pitch=2.54mm, Pricing 1="1 = 9.64000, 10 = 8.91700, 100 = 7.47100, 500 = 6.26600, 1000 = 6.02500 (USD)", Radiation Hardening=No, REACH SVHC="No SVHC", RoHS=Yes, Stock 1=520, Supplier 1=Digi-Key, Termination=Solder
P3 P4 P5 P6: "CONN HEADER 2POS 1.25MM R/A SMD", Color=Beige, Contact Resistance=20mR, Current Rating=1A, Flammability Rating="UL94 V-0", Insulation Resistance=100MR, Manufacturer=Molex, Manufacturer Part Number=53261-0271, Max Operating Temperature=85°C, Min Operating Temperature=-40°C, Package Quantity=1000, Supplier Part Number 1=WM7620CT-ND, Voltage Rating=125V, ComponentLink1Description=https://datasheet.ciiva.com/11747/0900766b8078fc90-11747475.pdf?src-supplier=RSComponents, ComponentLink1URL=https://datasheet.ciiva.com/11747/0900766b8078fc90-11747475.pdf?src-supplier=RSComponents, ComponentLink2Description=https://datasheet.ciiva.com/5151/0532610271-pcb-headers-171053-5151611.pdf?src-supplier=Mouser, ComponentLink2URL=https://datasheet.ciiva.com/5151/0532610271-pcb-headers-171053-5151611.pdf?src-supplier=Mouser, ComponentLink3Description=https://datasheet.ciiva.com/7167/1626147-7167496.pdf?src-supplier=Newark, ComponentLink3URL=https://datasheet.ciiva.com/7167/1626147-7167496.pdf?src-supplier=Newark, ComponentLink4Description=https://datasheet.ciiva.com/30193/198270532610271-pcb-headers-30193321.pdf?src-supplier=Onlinecomponents.com, ComponentLink4URL=https://datasheet.ciiva.com/30193/198270532610271-pcb-headers-30193321.pdf?src-supplier=Onlinecomponents.com, ComponentLink5Description=https://datasheet.ciiva.com/34303/1932547-34303342.pdf?src-supplier=Jameco, ComponentLink5URL=https://datasheet.ciiva.com/34303/1932547-34303342.pdf?src-supplier=Jameco, ComponentLink6Description=https://datasheet.ciiva.com/16658/0532610271-pcb-headers-16658423.pdf?src-supplier=Avnet+Europe, ComponentLink6URL=https://datasheet.ciiva.com/16658/0532610271-pcb-headers-16658423.pdf?src-supplier=Avnet+Europe, ComponentLink7Description=https://datasheet.ciiva.com/17035/70091115-17035863.pdf?src-supplier=Allied+Electronics, ComponentLink7URL=https://datasheet.ciiva.com/17035/70091115-17035863.pdf?src-supplier=Allied+Electronics, ComponentLink8Description=https://datasheet.ciiva.com/46393/1808526-46393547.pdf?src-supplier=Element14, ComponentLink8URL=https://datasheet.ciiva.com/46393/1808526-46393547.pdf?src-supplier=Element14, ComponentLink9Description=https://datasheet.ciiva.com/7920/1887027-7920826.pdf?src-supplier=Element14, ComponentLink9URL=https://datasheet.ciiva.com/7920/1887027-7920826.pdf?src-supplier=Element14, ComponentLink10Description=https://datasheet.ciiva.com/9468/0532610271-pcb-headers-9468506.pdf?src-supplier=Avnet, ComponentLink10URL=https://datasheet.ciiva.com/9468/0532610271-pcb-headers-9468506.pdf?src-supplier=Avnet, ComponentLink11Description=https://datasheet.ciiva.com/22683/1626147-22683562.pdf?src-supplier=Element14, ComponentLink11URL=https://datasheet.ciiva.com/22683/1626147-22683562.pdf?src-supplier=Element14, Contact Material=Bronze, Contact Plating=Tin, Gender=Male, Glow Wire Compliant=Non-compliant, Housing Material=Thermoplastic, Lead Free="Lead Free", Lead Pitch=1.25mm, Mount="Surface Mount", Number of Circuits=2, Number of Contacts=2, Number of Positions=2, Number of Rows=1, Orientation="Right Angle", Packaging="Tape and Reel", Pitch=1.25mm, Pricing 1="1 = 0.98000, 10 = 0.86000, 100 = 0.74170, 500 = 0.60688 (USD)", Radiation Hardening=No, REACH SVHC=Unknown, RoHS=Yes, Stock 1=34859, Supplier 1=Digi-Key, Termination=SMD/SMT, Voltage Rating (AC)=125V, Voltage Rating (DC)=125V, Working Voltage=125V